# KiCad board trifecta.kicad_pcb (continued)
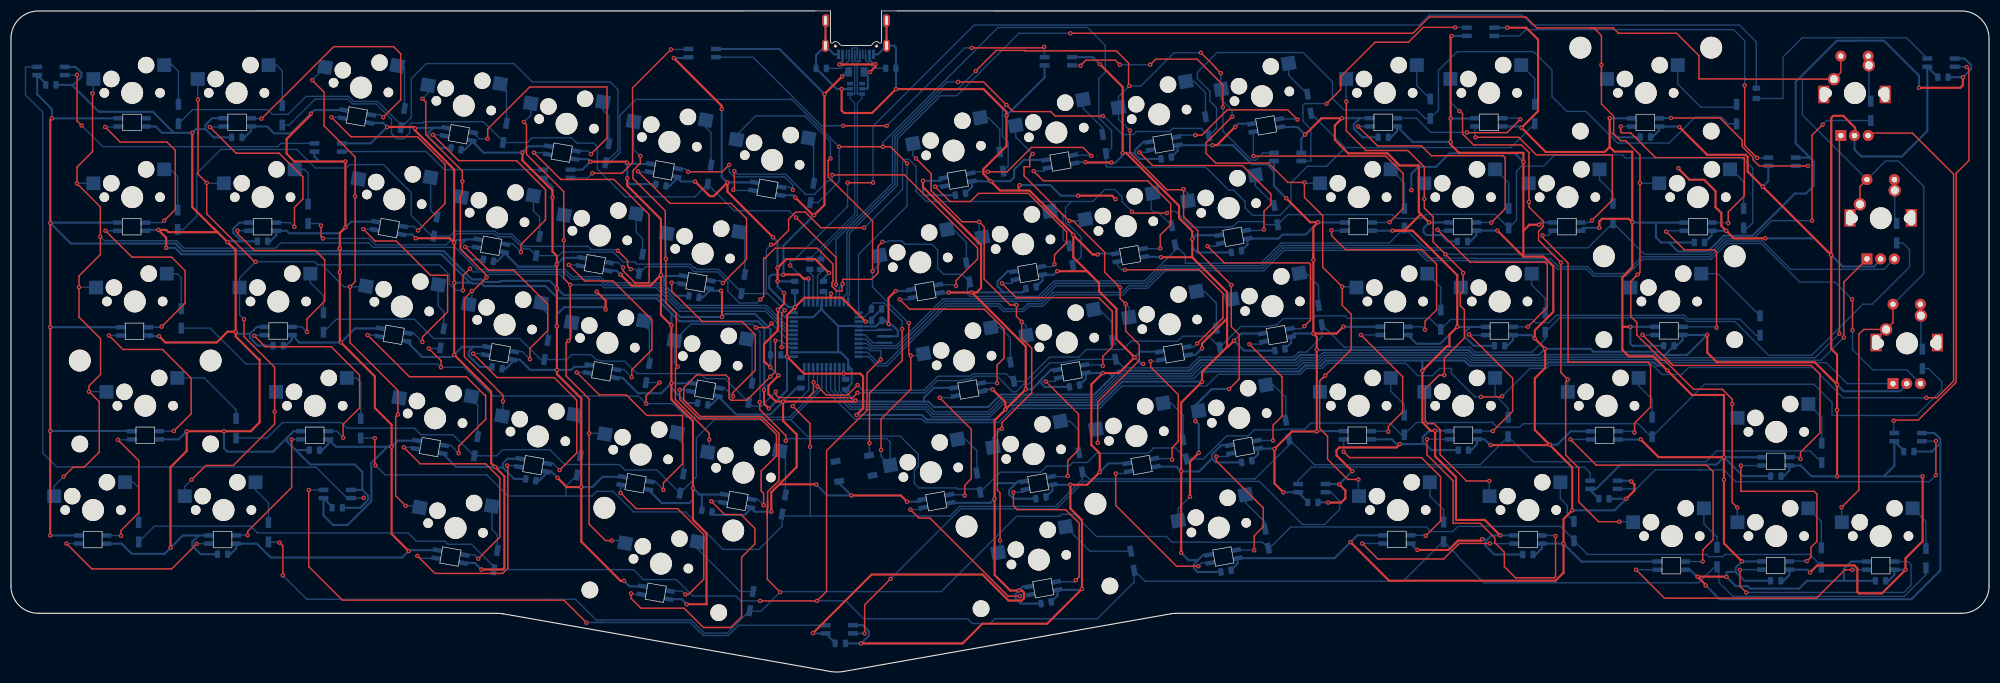
[diagram p0: board, top side]
## Routing (per net, layer and track width the routed paths; a pad name or vN(x,y) marks a point on that pad's centre or on a via; arc(x,y) is an arc through that point) (continued)
Net-(ULED7-Pad2): length 56.3
  Top w0.25: v1(12.91,99.83) 12.05,100.68 12.05,109.09 v1(12.06,109.1)
  Bottom w0.25: ULED7.2 12.01,109.04 v1(12.06,109.1) ; v1(12.91,99.83) 16.76,95.97 48.64,95.97 49.24,96.57 ULED8.4
Net-(ULED8-Pad2): length 38.1
  Bottom w0.25: ULED9.4 79.1,91.77 75.8,95.07 ULED8.2
Net-(ULED10-Pad2): length 73
  Top w0.25: v1(188.58,114.2) 188.39,114.01 v1(175.34,114.01) ; v1(151.88,99.79) 159.8,99.79 v1(159.81,99.78)
  Bottom w0.25: v1(159.81,99.78) 174.05,114.01 v1(175.34,114.01) ; v1(188.58,114.2) 188.58,112.37 ULED11.4 ; ULED10.2 135.41,112.32 147.94,99.79 v1(151.88,99.79)
Net-(ULED10-Pad4): length 39.3
  Top w0.25: v1(106.08,91.11) 111.5,91.11 113.44,93.05 113.44,106.72 v1(120.45,113.74)
  Bottom w0.25: ULED9.2 105.24,90.27 v1(106.08,91.11) ; ULED10.4 123.57,113.74 v1(120.45,113.74)
Net-(ULED11-Pad2): length 51.3
  Top w0.25: 221.1,103.28 v1(221.18,103.2) 221.18,107.25 216.48,111.95 208.92,111.95 v1(207.9,110.94) ; v1(195.16,110.76) 196.18,111.78 201.53,111.78 v1(202.37,110.94)
  Bottom w0.25: ULED12.4 228.46,94.83 227.14,93.51 226.44,93.51 221.18,98.78 v1(221.18,103.2) ; v1(207.9,110.94) v1(202.37,110.94) ; v1(195.16,110.76) 193.69,110.76 ULED11.2
Net-(ULED12-Pad2): length 49.8
  Top w0.25: v1(263.56,117.76) 257.75,117.76 255.04,115.05 248.94,115.05 242.67,108.77 242.67,106.41 v1(240.07,103.81)
  Bottom w0.25: ULED12.2 237.23,93.33 237.23,99.19 235.78,100.64 235.78,102.24 235.75,102.27 235.75,103.44 236.16,103.85 240.03,103.85 v1(240.07,103.81) ; ULED13.4 265.64,117.76 v1(263.56,117.76)
Net-(ULED13-Pad2): length 71.4
  Top w0.25: v1(316.4,107.17) 316.4,96.18 v1(318.66,93.92)
  Bottom w0.25: ULED13.2 275.3,116.21 276.44,117.35 314.37,117.35 316.4,115.32 v1(316.4,107.17) ; ULED14.4 320.65,93.92 v1(318.66,93.92)

## Copper pours and planes (outline as drawn; the poured copper is in the pictures)
GND on Bottom: 145.57,121.23 145.67,109.23 162.57,109.23 162.57,121.23
GND on Bottom: 153.37,63.03 162.97,63.03 162.97,58.63 153.37,58.63
GND on Bottom: 142.09,68.3 142.09,54.93 155.49,54.93 155.47,68.3

## Text on the board
B.SilkS: Keep Away From Orange Snacks. | Designed by Swiftrax and 2Moons
